# KiCad board ecp5.kicad_pcb
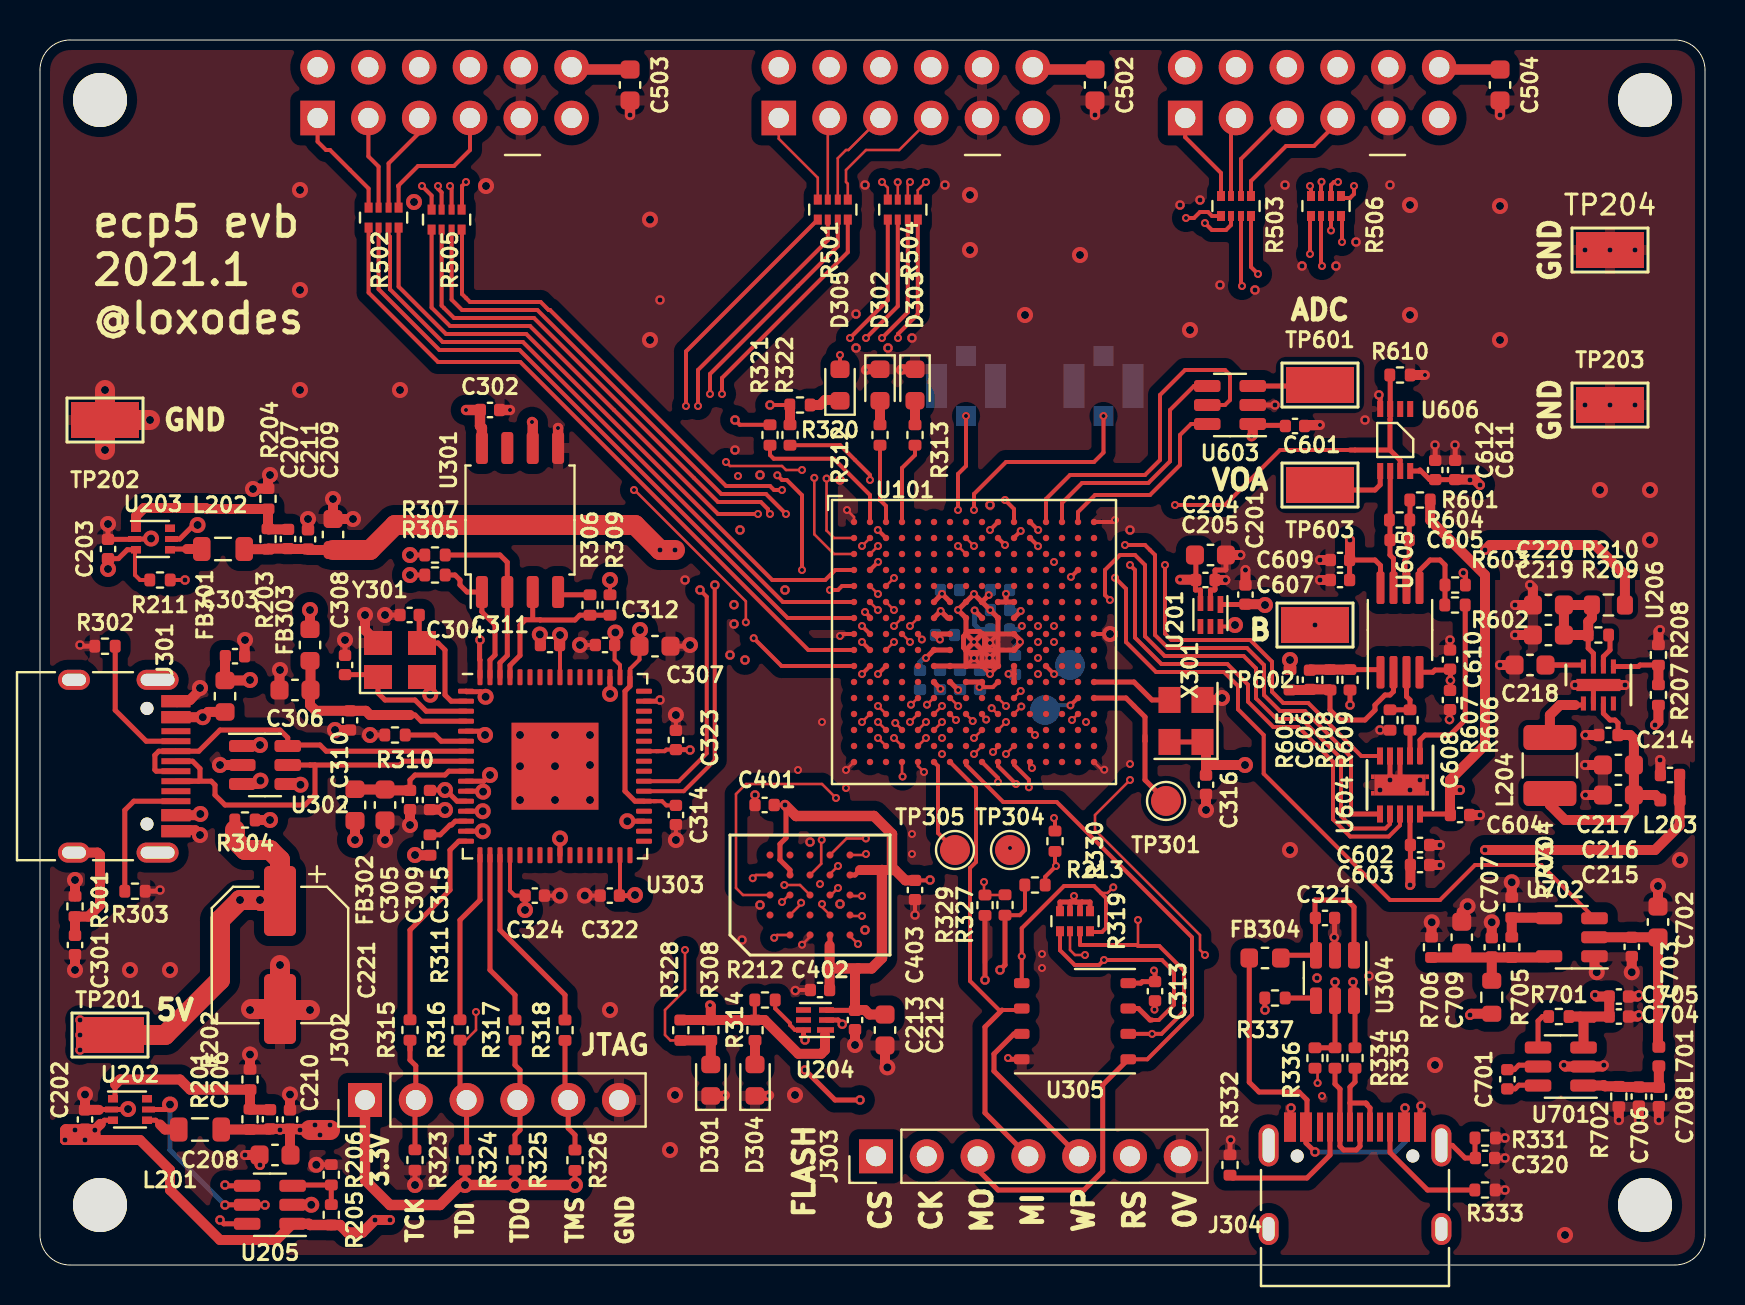
[diagram p0: board, top side]
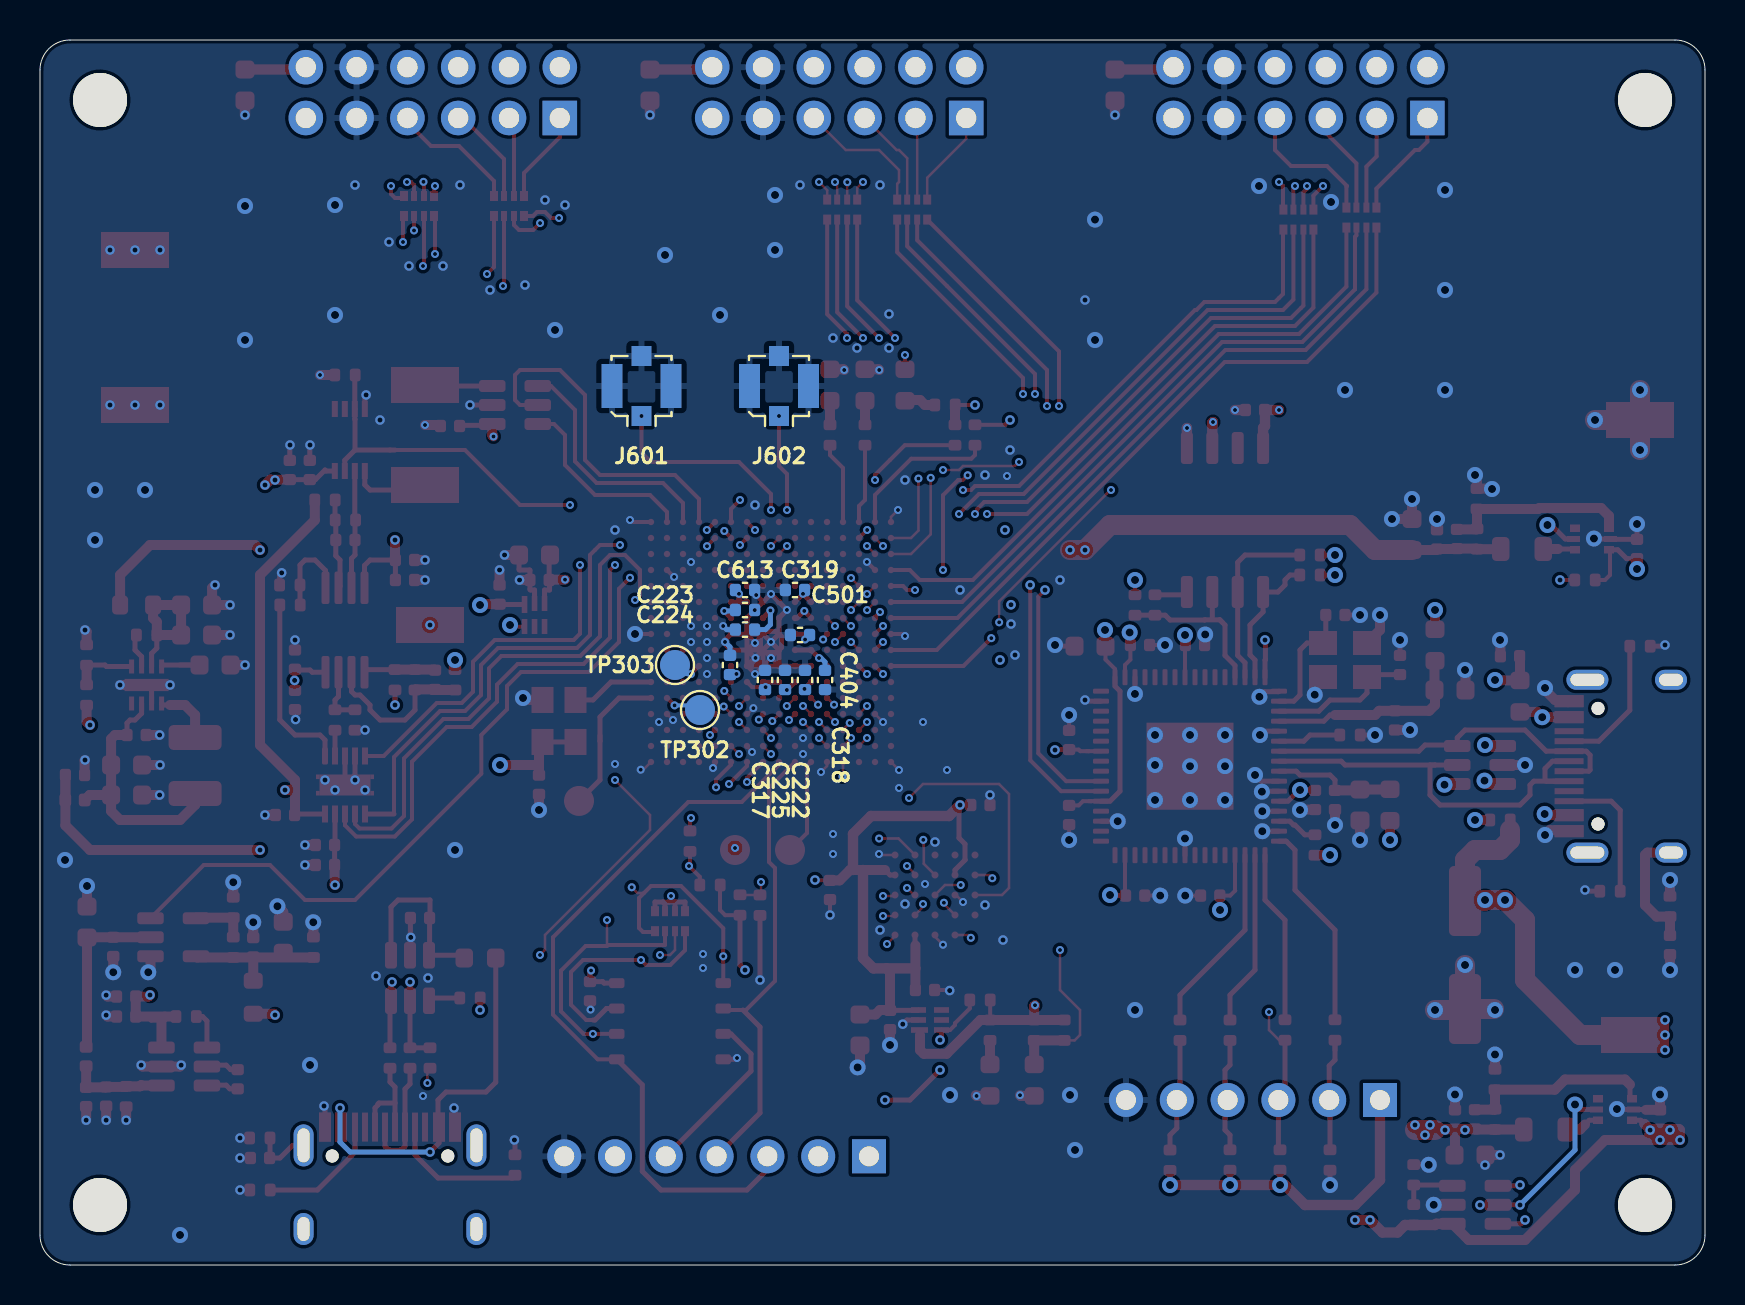
[diagram p1: board, bottom side, seen from below]

Outline 83.25 x 61.25 mm; copper layers: Top, In1.Cu, In2.Cu, In3.Cu, In4.Cu, Bottom. Coordinates in mm from the lower left corner of the outline.
Outline path: 0,59.75 arc(0.44,60.81) 1.5,61.25 81.75,61.25 arc(82.81,60.81) 83.25,59.75 83.25,1.5 arc(82.81,0.44) 81.75,0 1.5,0 arc(0.44,0.44) 0,1.5 0,59.75
Stack: Top 0.035mm / dielectric 0.294mm FR4 er 4.5 / In1.Cu 0.035mm / dielectric 0.294mm FR4 er 4.5 / In2.Cu 0.035mm / dielectric 0.294mm FR4 er 4.5 / In3.Cu 0.035mm / dielectric 0.294mm FR4 er 4.5 / In4.Cu 0.035mm / dielectric 0.294mm FR4 er 4.5 / Bottom 0.035mm

## Placement (name value [footprint] x y rotation side)
C201  4.7uF  [C_0402_1005Metric]  60.27 33.52 90 top
C202  4.7uF  [C_0402_1005Metric]  2.25 7.28 90 top
C203  4.7uF  [C_0402_1005Metric]  3.4 35.8 90 top
C204  10uF  [C_0603_1608Metric]  58.52 35.5 0 top
C205  1uF  [C_0402_1005Metric]  58.27 34.25 0 top
C206  6.8pF  [C_0402_1005Metric]  11.5 7.28 90 top
C207  6.8pF  [C_0402_1005Metric]  12.4 36.3 90 top
C208  10uF  [C_0603_1608Metric]  11.75 5.5 180 top
C209  10uF  [C_0603_1608Metric]  14.65 36.53 90 top
C210  1uF  [C_0402_1005Metric]  12.5 7.28 90 top
C211  1uF  [C_0402_1005Metric]  13.4 36.28 90 top
C212  10uF  [C_0603_1608Metric]  42.25 11.75 270 top
C213  1uF  [C_0402_1005Metric]  40.75 12.25 270 top
C214  100 nF  [C_0402_1005Metric]  81.5 24.5 180 top
C215  2.2 uF  [C_0603_1608Metric]  78.92 23.5 180 top
C216  2.2 uF  [C_0603_1608Metric]  78.92 25 180 top
C217  100 nF  [C_0402_1005Metric]  78.42 26.5 180 top
C218  220 nF  [C_0603_1608Metric]  74.5 30 180 top
C219  100 nF  [C_0603_1608Metric]  75.42 31.5 180 top
C220  2.2 uF  [C_0603_1608Metric]  75.42 33 180 top
C221  100 uF  [CP_Elec_6.3x5.8]  12 15.5 270 top
C222  1uF  [C_0402_1005Metric]  46 29.25 90 bottom
C223  1uF  [C_0402_1005Metric]  48 32.75 180 bottom
C224  1uF  [C_0402_1005Metric]  48 31.77 0 bottom
C225  1uF  [C_0402_1005Metric]  47 29.25 90 bottom
C301  1 uF  [C_0402_1005Metric]  1.75 16 270 top
C302  100 nF  [C_0402_1005Metric]  22.5 42.75 0 top
C303  1 uF  [C_0402_1005Metric]  9.75 30.44 0 top
C304  18 pF  [C_0402_1005Metric]  18.48 32.5 180 top
C305  10 uF  [C_0603_1608Metric]  17.25 23 270 top
C306  10 uF  [C_0603_1608Metric]  12.75 28.75 180 top
C307  10 uF  [C_0603_1608Metric]  30.75 30.94 0 top
C308  18 pF  [C_0402_1005Metric]  15.25 30 90 top
C309  100 nF  [C_0402_1005Metric]  18.5 23.25 270 top
C310  100 nF  [C_0402_1005Metric]  15.5 27.23 270 top
C311  100 nF  [C_0402_1005Metric]  25.5 31 180 top
C312  100 nF  [C_0402_1005Metric]  28.25 31 180 top
C313  100 nF  [C_0402_1005Metric]  55.75 13.69 270 top
C314  100 nF  [C_0402_1005Metric]  31.8 22.5 270 top
C315  100 nF  [C_0402_1005Metric]  19.5 23.25 270 top
C316  100 nF  [C_0402_1005Metric]  58.3 24.01 270 top
C317  100 nF  [C_0402_1005Metric]  48.75 30 90 bottom
C318  100 nF  [C_0402_1005Metric]  45 29.25 90 bottom
C319  100 nF  [C_0402_1005Metric]  45.5 33.75 0 bottom
C320  1 uF  [C_0402_1005Metric]  72.25 5.35 0 top
C321  1 uF  [C_0402_1005Metric]  64.25 17.35 0 top
C322  100 nF  [C_0402_1005Metric]  28.49 18.47 180 top
C323  100 nF  [C_0402_1005Metric]  31.8 26.25 90 top
C324  100 nF  [C_0402_1005Metric]  24.74 18.47 0 top
C401  100 nF  [C_0402_1005Metric]  36.23 23 180 top
C402  100 nF  [C_0402_1005Metric]  39 13.75 180 top
C403  100 nF  [C_0402_1005Metric]  43.75 18.75 270 top
C404  100 nF  [C_0402_1005Metric]  44 29.25 270 bottom
C501  100 nF  [C_0402_1005Metric]  45.25 31.5 0 bottom
C502  DNI  [C_0603_1608Metric]  52.75 59 90 top
C503  DNI  [C_0603_1608Metric]  29.5 59 90 top
C504  DNI  [C_0603_1608Metric]  73 59 90 top
C601  1 uF  [C_0402_1005Metric]  62.75 41.95 0 top
C602  100 nF  [C_0402_1005Metric]  69 21 180 top
C603  100 pF  [C_0402_1005Metric]  69 20 180 top
C604  100 pF  [C_0402_1005Metric]  71 22.5 180 top
C605  10 pF  [C_0402_1005Metric]  67.98 36.25 180 top
C606  10 pF  [C_0402_1005Metric]  63.5 29.26 90 top
C607  100 pF  [C_0402_1005Metric]  65 34.25 0 top
C608  100 pF  [C_0402_1005Metric]  70.5 28.25 90 top
C609  100 nF  [C_0402_1005Metric]  65 35.25 0 top
C610  100 nF  [C_0402_1005Metric]  70.5 30.27 270 top
C611  100 pF  [C_0402_1005Metric]  70.76 39.75 270 top
C612  100 nF  [C_0402_1005Metric]  69.76 39.75 270 top
C613  100 nF  [C_0402_1005Metric]  48 33.75 0 bottom
C701  1 uF  [C_0402_1005Metric]  73.37 9.29 90 top
C702  2.2 uF  [C_0603_1608Metric]  80.9 17.15 90 top
C703  100 nF  [C_0402_1005Metric]  79.59 15.91 270 top
C704  100 nF  [C_0402_1005Metric]  78.94 12.42 180 top
C705  1 uF  [C_0402_1005Metric]  78.94 13.42 180 top
C706  100 nF  [C_0402_1005Metric]  79.94 8.42 90 top
C707  10 nF  [C_0402_1005Metric]  72.59 15.89 90 top
C708  1 uF  [C_0402_1005Metric]  80.94 8.4 90 top
C709  2.2 uF  [C_0603_1608Metric]  71.09 16.39 90 top
D301  RED  [LED_0603_1608Metric]  33.54 9.24 90 top
D302  RED  [LED_0603_1608Metric]  42 44 270 top
D303  RED  [LED_0603_1608Metric]  43.75 44 270 top
D304  RED  [LED_0603_1608Metric]  35.75 9.24 90 top
D305  RED  [LED_0603_1608Metric]  40 44 90 top
FB301  600 ohm 500 mA  [L_0603_1608Metric]  9.25 28.44 90 top
FB302  600 ohm 500 mA  [L_0603_1608Metric]  15.75 23 90 top
FB303  600 ohm 500 mA  [L_0603_1608Metric]  13.5 31 270 top
FB304  600 ohm 500 mA  [L_0603_1608Metric]  61.25 15.35 0 top
H101  MountingHole  [MountingHole_2.7mm_M2.5]  3 3 0 top
H102  MountingHole  [MountingHole_2.7mm_M2.5]  80.25 58.25 0 top
H103  MountingHole  [MountingHole_2.7mm_M2.5]  80.25 3 0 top
H104  MountingHole  [MountingHole_2.7mm_M2.5]  3 58.25 0 top
J301  USB_C_Receptacle_USB2.0  [USB_C_Receptacle_HRO_TYPE-C-31-M-12]  2.75 24.94 270 top
J302  JTAG  [PinHeader_1x06_P2.54mm_Vertical]  16.25 8.25 90 top
J303  Flash  [PinHeader_1x07_P2.54mm_Vertical]  41.8 5.44 90 top
J304  USB_C_Receptacle_USB2.0  [USB_C_Receptacle_HRO_TYPE-C-31-M-12]  65.75 2.85 0 top
J501  PMOD  [PMOD_Angled_2x06]  49.64 57.35 180 top
J502  PMOD  [PMOD_Angled_2x06]  26.58 57.35 180 top
J503  PMOD  [PMOD_Angled_2x06]  69.96 57.35 180 top
J601  Conn_Coaxial  [U.FL_Molex_MCRF_73412-0110_Vertical]  53.17 43.95 180 bottom
J602  Conn_Coaxial  [U.FL_Molex_MCRF_73412-0110_Vertical]  46.3 43.95 180 bottom
L201  2.2uH  [L_0805_2012Metric]  8 6.78 0 top
L202  2.2uH  [L_0805_2012Metric]  9.15 35.8 0 top
L203  BLM15AG102SZ1D  [L_0402_1005Metric]  81.5 23.25 0 top
L204  15 uH  [L_1210_3225Metric]  75.5 24.97 90 top
L701  BLM15GG471  [L_0402_1005Metric]  80.94 10.42 270 top
R201  210k  [R_0402_1005Metric]  10.5 7.28 270 top
R202  47k  [R_0402_1005Metric]  10.5 9.28 270 top
R203  84k5  [R_0402_1005Metric]  11.4 36.3 270 top
R204  100k  [R_0402_1005Metric]  11.4 38.31 270 top
R205  24k3  [R_0402_1005Metric]  14.56 2.51 270 top
R206  10k  [R_0402_1005Metric]  14.56 4.51 270 top
R207  10k  [R_0402_1005Metric]  80.92 28.5 90 top
R208  DNI  [R_0402_1005Metric]  80.92 30.5 90 top
R209  2.21M  [R_0402_1005Metric]  77.92 31.5 0 top
R210  0  [R_0603_1608Metric]  78.42 33 0 top
R211  10k  [R_0402_1005Metric]  6 34.25 0 top
R212  10k  [R_0402_1005Metric]  36.25 13.25 0 top
R213  10k  [R_0402_1005Metric]  49.75 19 180 top
R301  100k  [R_0402_1005Metric]  1.75 17.93 90 top
R302  5.1k  [R_0402_1005Metric]  3.25 30.94 0 top
R303  5.1k  [R_0402_1005Metric]  4.75 18.69 180 top
R304  0  [R_0402_1005Metric]  10.25 22.25 180 top
R305  10k  [R_0402_1005Metric]  19.75 34.5 0 top
R306  12k  [R_0402_1005Metric]  27.5 33 90 top
R307  10k  [R_0402_1005Metric]  19.75 35.5 0 top
R308  10k  [R_0402_1005Metric]  33.54 11.74 270 top
R309  10k  [R_0402_1005Metric]  28.5 33 270 top
R310  12k  [R_0402_1005Metric]  17.75 26.5 180 top
R311  2.2k  [R_0402_1005Metric]  19.5 21 270 top
R312  10k  [R_0402_1005Metric]  42 41.5 90 top
R313  10k  [R_0402_1005Metric]  43.75 41.5 90 top
R314  10k  [R_0402_1005Metric]  35.75 11.74 270 top
R315  0  [R_0402_1005Metric]  18.5 11.75 90 top
R316  0  [R_0402_1005Metric]  21 11.75 90 top
R317  0  [R_0402_1005Metric]  23.75 11.74 90 top
R318  0  [R_0402_1005Metric]  26.25 11.74 90 top
R319  10k  [R_Array_Convex_4x0402]  51.75 17.19 270 top
R320  10k  [R_0402_1005Metric]  38 43 180 top
R321  100  [R_0402_1005Metric]  36.5 41.5 90 top
R322  100  [R_0402_1005Metric]  37.5 41.5 90 top
R323  4.7k  [R_0402_1005Metric]  18.75 5.25 270 top
R324  4.7k  [R_0402_1005Metric]  21.25 5.25 270 top
R325  4.7k  [R_0402_1005Metric]  23.75 5.25 270 top
R326  4.7k  [R_0402_1005Metric]  26.75 5.24 270 top
R327  1k  [R_0402_1005Metric]  48.25 18 270 top
R328  10k  [R_0402_1005Metric]  32.04 11.74 270 top
R329  10k  [R_0402_1005Metric]  47.25 17.99 90 top
R330  1k  [R_0402_1005Metric]  50.75 21.19 90 top
R331  100k  [R_0402_1005Metric]  72.26 6.35 0 top
R332  5.1k  [R_0402_1005Metric]  59.5 5 270 top
R333  5.1k  [R_0402_1005Metric]  72.25 3.75 180 top
R334  20  [R_0402_1005Metric]  64.75 10.35 270 top
R335  20  [R_0402_1005Metric]  65.75 10.35 270 top
R336  1.5k  [R_0402_1005Metric]  63.75 10.35 90 top
R337  DNI  [R_0402_1005Metric]  61.75 13.35 180 top
R501  33R  [R_Array_Convex_4x0402]  39.64 52.77 90 top
R502  33R  [R_Array_Convex_4x0402]  17.18 52.37 90 top
R503  33R  [R_Array_Convex_4x0402]  59.8 52.95 270 top
R504  33R  [R_Array_Convex_4x0402]  43.14 52.77 90 top
R505  33R  [R_Array_Convex_4x0402]  20.33 52.27 90 top
R506  33R  [R_Array_Convex_4x0402]  64.3 52.95 270 top
R601  33k  [R_0402_1005Metric]  69 38.25 0 top
R602  33k  [R_0402_1005Metric]  70.75 33 0 top
R603  10k  [R_0402_1005Metric]  70.76 34 180 top
R604  10k  [R_0402_1005Metric]  67.98 37.25 0 top
R605  4.7k  [R_0402_1005Metric]  62.5 29.26 90 top
R606  4.7k  [R_0402_1005Metric]  68.5 27.25 270 top
R607  33k  [R_0402_1005Metric]  67.5 27.25 90 top
R608  33k  [R_0402_1005Metric]  64.5 29.26 270 top
R609  10k  [R_0402_1005Metric]  65.5 29.26 90 top
R610  10k  [R_0402_1005Metric]  68 44.5 0 top
R701  1k  [R_0402_1005Metric]  75.94 12.42 180 top
R702  DNI  [R_0402_1005Metric]  78.94 8.42 270 top
R703  51k  [R_0402_1005Metric]  73.59 15.89 90 top
R704  47k  [R_0402_1005Metric]  73.59 17.88 90 top
R705  0  [R_0603_1608Metric]  72.59 13.39 270 top
R706  2k  [R_0402_1005Metric]  69.58 15.89 90 top
TP201  TestPoint  [TestPoint_Keystone_5015_Micro-Minature]  3.5 11.5 180 top
TP202  TestPoint  [TestPoint_Keystone_5015_Micro-Minature]  3.25 42.25 180 top
TP203  TestPoint  [TestPoint_Keystone_5015_Micro-Minature]  78.5 43 0 top
TP204  TestPoint  [TestPoint_Keystone_5015_Micro-Minature]  78.5 50.75 0 top
TP301  TestPoint  [TestPoint_Pad_D1.5mm]  56.3 23.2 0 top
TP302  TestPoint  [TestPoint_Pad_D1.5mm]  50.25 27.75 180 bottom
TP303  TestPoint  [TestPoint_Pad_D1.5mm]  51.5 30 180 bottom
TP304  TestPoint  [TestPoint_Pad_D1.5mm]  48.5 20.75 0 top
TP305  TestPoint  [TestPoint_Pad_D1.5mm]  45.75 20.75 0 top
TP601  TestPoint  [TestPoint_Keystone_5015_Micro-Minature]  64 44 180 top
TP602  TestPoint  [TestPoint_Keystone_5015_Micro-Minature]  63.75 32 0 top
TP603  TestPoint  [TestPoint_Keystone_5015_Micro-Minature]  64 39 180 top
U101  ECP5U_25_CABGA256  [BGA-256_14.0x14.0mm_Layout16x16_P0.8mm_Ball0.45mm_Pad0.32mm_NSMD]  46.7 31.15 0 top
U201  TLV70025_WSON6  [WSON-6_1.5x1.5mm_P0.5mm]  58.52 32.5 270 top
U202  TLV62569DRL  [SOT-666]  4.5 7.78 0 top
U203  TLV62569DRL  [SOT-666]  5.65 36.3 0 top
U204  TLV70018_WSON6  [WSON-6_1.5x1.5mm_P0.5mm]  38.75 12.25 180 top
U205  LM3880MF-1AF  [SOT-23-6]  11.49 3.01 180 top
U206  LT3494  [DFN-8-1EP_2x3mm_P0.5mm_EP0.61x2.2mm]  77.92 29 90 top
U301  93LC56C  [SOIC-8_5.23x5.23mm_P1.27mm]  24 37.25 90 top
U302  TPD3S014  [SOT-23-6]  11.25 25 0 top
U303  FT2232HQ  [QFN-64-1EP_9x9mm_P0.5mm_EP4.35x4.35mm]  25.75 24.94 0 top
U304  TPD3S014  [SOT-23-6]  64.75 14.35 270 top
U305  W25Q32JVSS  [WSON-8-1EP_6x5mm_P1.27mm_EP3.4x4mm]  51.75 12.19 0 top
U401  IS66WVH16M8ALL  [BGA-24_8.0x6.0mm_Layout5x5_P0.8mm_Pad0.35mm_NSMD]  38.5 18.5 90 top
U603  ADS7868  [TSOT-23-6]  59.5 43 180 top
U604  DAC7563SDSCR  [DFN-10_PWSON_N10_3x3mm_P0.5mm_EP1.05x2.55mm]  68 24 270 top
U605  OPA2140  [MSOP-8_3x3mm_P0.65mm]  68 31.75 90 top
U606  TS5A23166  [VSSOP-8]  67.76 41.25 180 top
U701  LM2776  [SOT-23-6]  76.04 9.92 180 top
U702  TPS72301DB  [SOT-23-5]  76.59 16.39 180 top
X301  ASE-xxxMHz  [Oscillator_SMD_Abracon_ASE-4Pin_3.2x2.5mm]  57.3 27.2 90 top
Y301  7M-12.000MAAJ  [Crystal_SMD_3225-4Pin_3.2x2.5mm]  18 30.25 0 top

## Library data of the parts
C201-C203 = -: Mfg: Yageo; PN: CC0402KRX5R6BB475
C204 C208 C209 C212 = -: Mfg: Yageo; PN: CC0603KRX5R5BB106
C205 C210 C211 C213 C222-C225 = -: Mfg: Yageo; PN: CC0402KRX5R6BB105
C206 C207 = -: Mfg: Yageo; PN: CC0402CRNPO9BN6R8
C502-C504 = -: Key: cap-cer-0603-10u; Source: ANY
C601 = -: Distributor Part Number: N/A
J303 = -: Key: conn-th-01in-7-1-hdr; Source: ANY
J501-J503 = -: Key: conn-th-01in-6-2-rec-ra; Source: ANY
L201 L202 = -: Mfg: Sunltech Tech; PN: SLM20122R2MIT
R201 = -: Mfg: Yageo; PN: RC0402FR-07210KL; Tol: 1%
R202 = -: Mfg: Yageo; PN: RC0402FR-0747KL
R203 = -: Mfg: Yageo; PN: RC0402FR-0784K5L; Tol: 1%
R204 = -: Mfg: Yageo; PN: RC0402FR-07100KL; Tol: 1%
R205 = -: 1b2-bom-key: res-0402-24k3; MPN: RC0402FR-1324K3L; Mfg: Yageo
R206 = -: 1b2-bom-key: res-0402-10k; MPN: RC0402FR-1310KL; Mfg: Yageo
R301-R318 R320-R337 = -: Key: res-0402-10k; Source: ANY
R704 = -: DIST_PN: 311-21.0KLRCT-ND‎
U101 = -: manf#: ECP5U_25
U202 U203 = -: Mfg: Texas Instruments; PN: TLV62569DRLR
U205 = -: 1b2-bom-key: ic-sot23-6-lm3880mf-1af; MPN: LM3880MFX-1AF/NOPB; Mfg: Texas Instruments
U401 = -: Mfg: ISSI, Integrated Silicon Solution Inc; PN: IS66WVH16M8ALL-166B1LI; SN-DK: 706-1548-ND
U603 = -: Distributor: Digi-Key; Distributor Part Number: 296-41406-1-ND
U701 = -: DIST_PN: 296-43957-1-ND
U702 = -: DIST_PN: ‎296-46478-1-ND‎

## Footprints (pads in the part's own frame, mm; a bottom-side part is the same pattern mirrored in y, then rotated)
BGA-24_8.0x6.0mm_Layout5x5_P0.8mm_Pad0.35mm_NSMD
  round 0.35 smd: A2(-1,2) A3(0,2) A4(1,2) A5(2,2) B1(-2,1) B2(-1,1) B3(0,1) B4(1,1) B5(2,1) C1(-2,0) C2(-1,0) C3(0,0) C4(1,0) C5(2,0) D1(-2,-1) D2(-1,-1) D3(0,-1) D4(1,-1) D5(2,-1) E1(-2,-2) E2(-1,-2) E3(0,-2) E4(1,-2) E5(2,-2)
BGA-256_14.0x14.0mm_Layout16x16_P0.8mm_Ball0.45mm_Pad0.32mm_NSMD
  round 0.32 smd: A1(-6,6) A2(-5.2,6) A3(-4.4,6) A4(-3.6,6) A5(-2.8,6) A6(-2,6) A7(-1.2,6) A8(-0.4,6) A9(0.4,6) A10(1.2,6) A11(2,6) A12(2.8,6) A13(3.6,6) A14(4.4,6) A15(5.2,6) A16(6,6) B1(-6,5.2) B2(-5.2,5.2) B3(-4.4,5.2) B4(-3.6,5.2) B5(-2.8,5.2) B6(-2,5.2) B7(-1.2,5.2) B8(-0.4,5.2) B9(0.4,5.2) B10(1.2,5.2) B11(2,5.2) B12(2.8,5.2) B13(3.6,5.2) B14(4.4,5.2) B15(5.2,5.2) B16(6,5.2) C1(-6,4.4) C2(-5.2,4.4) C3(-4.4,4.4) C4(-3.6,4.4) C5(-2.8,4.4) C6(-2,4.4) C7(-1.2,4.4) C8(-0.4,4.4) C9(0.4,4.4) C10(1.2,4.4) C11(2,4.4) C12(2.8,4.4) C13(3.6,4.4) C14(4.4,4.4) C15(5.2,4.4) C16(6,4.4) D1(-6,3.6) D2(-5.2,3.6) D3(-4.4,3.6) D4(-3.6,3.6) D5(-2.8,3.6) D6(-2,3.6) D7(-1.2,3.6) D8(-0.4,3.6) D9(0.4,3.6) D10(1.2,3.6) D11(2,3.6) D12(2.8,3.6) D13(3.6,3.6) D14(4.4,3.6) D15(5.2,3.6) D16(6,3.6) E1(-6,2.8) E2(-5.2,2.8) E3(-4.4,2.8) E4(-3.6,2.8) E5(-2.8,2.8) E6(-2,2.8) E7(-1.2,2.8) E8(-0.4,2.8) E9(0.4,2.8) E10(1.2,2.8) E11(2,2.8) E12(2.8,2.8) E13(3.6,2.8) E14(4.4,2.8) E15(5.2,2.8) E16(6,2.8) F1(-6,2) F2(-5.2,2) F3(-4.4,2) F4(-3.6,2) F5(-2.8,2) F6(-2,2) F7(-1.2,2) F8(-0.4,2) F9(0.4,2) F10(1.2,2) F11(2,2) F12(2.8,2) F13(3.6,2) F14(4.4,2) F15(5.2,2) F16(6,2) G1(-6,1.2) G2(-5.2,1.2) G3(-4.4,1.2) G4(-3.6,1.2) G5(-2.8,1.2) G6(-2,1.2) G7(-1.2,1.2) G8(-0.4,1.2) G9(0.4,1.2) G10(1.2,1.2) G11(2,1.2) G12(2.8,1.2) G13(3.6,1.2) G14(4.4,1.2) G15(5.2,1.2) G16(6,1.2) H1(-6,0.4) H2(-5.2,0.4) H3(-4.4,0.4) H4(-3.6,0.4) H5(-2.8,0.4) H6(-2,0.4) H7(-1.2,0.4) H8(-0.4,0.4) H9(0.4,0.4) H10(1.2,0.4) H11(2,0.4) H12(2.8,0.4) H13(3.6,0.4) H14(4.4,0.4) H15(5.2,0.4) H16(6,0.4) J1(-6,-0.4) J2(-5.2,-0.4) J3(-4.4,-0.4) J4(-3.6,-0.4) J5(-2.8,-0.4) J6(-2,-0.4) J7(-1.2,-0.4) J8(-0.4,-0.4) J9(0.4,-0.4) J10(1.2,-0.4) J11(2,-0.4) J12(2.8,-0.4) J13(3.6,-0.4) J14(4.4,-0.4) J15(5.2,-0.4) J16(6,-0.4) K1(-6,-1.2) K2(-5.2,-1.2) K3(-4.4,-1.2) K4(-3.6,-1.2) K5(-2.8,-1.2) K6(-2,-1.2) K7(-1.2,-1.2) K8(-0.4,-1.2) K9(0.4,-1.2) K10(1.2,-1.2) K11(2,-1.2) K12(2.8,-1.2) K13(3.6,-1.2) K14(4.4,-1.2) K15(5.2,-1.2) K16(6,-1.2) L1(-6,-2) L2(-5.2,-2) L3(-4.4,-2) L4(-3.6,-2) L5(-2.8,-2) L6(-2,-2) L7(-1.2,-2) L8(-0.4,-2) L9(0.4,-2) L10(1.2,-2) L11(2,-2) L12(2.8,-2) L13(3.6,-2) L14(4.4,-2) L15(5.2,-2) L16(6,-2) M1(-6,-2.8) M2(-5.2,-2.8) M3(-4.4,-2.8) M4(-3.6,-2.8) M5(-2.8,-2.8) M6(-2,-2.8) M7(-1.2,-2.8) M8(-0.4,-2.8) M9(0.4,-2.8) M10(1.2,-2.8) M11(2,-2.8) M12(2.8,-2.8) M13(3.6,-2.8) M14(4.4,-2.8) M15(5.2,-2.8) M16(6,-2.8) N1(-6,-3.6) N2(-5.2,-3.6) N3(-4.4,-3.6) N4(-3.6,-3.6) N5(-2.8,-3.6) N6(-2,-3.6) N7(-1.2,-3.6) N8(-0.4,-3.6) N9(0.4,-3.6) N10(1.2,-3.6) N11(2,-3.6) N12(2.8,-3.6) N13(3.6,-3.6) N14(4.4,-3.6) N15(5.2,-3.6) N16(6,-3.6) P1(-6,-4.4) P2(-5.2,-4.4) P3(-4.4,-4.4) P4(-3.6,-4.4) P5(-2.8,-4.4) P6(-2,-4.4) P7(-1.2,-4.4) P8(-0.4,-4.4) P9(0.4,-4.4) P10(1.2,-4.4) P11(2,-4.4) P12(2.8,-4.4) P13(3.6,-4.4) P14(4.4,-4.4) P15(5.2,-4.4) P16(6,-4.4) R1(-6,-5.2) R2(-5.2,-5.2) R3(-4.4,-5.2) R4(-3.6,-5.2) R5(-2.8,-5.2) R6(-2,-5.2) R7(-1.2,-5.2) R8(-0.4,-5.2) R9(0.4,-5.2) R10(1.2,-5.2) R11(2,-5.2) R12(2.8,-5.2) R13(3.6,-5.2) R14(4.4,-5.2) R15(5.2,-5.2) R16(6,-5.2) T1(-6,-6) T2(-5.2,-6) T3(-4.4,-6) T4(-3.6,-6) T5(-2.8,-6) T6(-2,-6) T7(-1.2,-6) T8(-0.4,-6) T9(0.4,-6) T10(1.2,-6) T11(2,-6) T12(2.8,-6) T13(3.6,-6) T14(4.4,-6) T15(5.2,-6) T16(6,-6)
C_0402_1005Metric
  rrect 0.56x0.62 smd: 1(-0.48,0) 2(0.48,0)
C_0603_1608Metric
  rrect 0.9x0.95 smd: 1(-0.775,0) 2(0.775,0)
CP_Elec_6.3x5.8
  rrect 3.5x1.6 smd: 1(-2.7,0) 2(2.7,0)
Crystal_SMD_3225-4Pin_3.2x2.5mm
  rect 1.4x1.2 smd: 1(-1.1,-0.85) 2(1.1,-0.85) 3(1.1,0.85) 4(-1.1,0.85)
DFN-8-1EP_2x3mm_P0.5mm_EP0.61x2.2mm
  rect 0.5x0.59 smd: (0,0.734) (0,0) (0,-0.734)
  rect 0.7x0.25 smd: 1(-0.925,0.75) 2(-0.925,0.25) 3(-0.925,-0.25) 4(-0.925,-0.75) 5(0.925,-0.75) 6(0.925,-0.25) 7(0.925,0.25) 8(0.925,0.75)
  rect 0.61x2.2 smd: 9(0,0)
DFN-10_PWSON_N10_3x3mm_P0.5mm_EP1.05x2.55mm
  rect 0.85x1.05 smd: (0,0.67) (0,-0.67)
  rrect 0.85x0.3 smd: 1(-1.45,1)
  rect 0.85x0.3 smd: 2(-1.45,0.5) 3(-1.45,0) 4(-1.45,-0.5) 5(-1.45,-1) 6(1.45,-1) 7(1.45,-0.5) 8(1.45,0) 9(1.45,0.5) 10(1.45,1)
  rect 0.23x0.18 smd: 11(-0.41,1.36) 11(-0.41,-1.36) 11(0.41,1.36) 11(0.41,-1.36)
  rect 1.05x2.55 smd: 11(0,0)
L_0402_1005Metric
  rrect 0.59x0.64 smd: 1(-0.485,0) 2(0.485,0)
L_0603_1608Metric
  rrect 0.875x0.95 smd: 1(-0.787,0) 2(0.787,0)
L_0805_2012Metric
  rrect 0.875x1.2 smd: 1(-1.062,0) 2(1.062,0)
L_1210_3225Metric
  rrect 1.25x2.65 smd: 1(-1.4,0) 2(1.4,0)
LED_0603_1608Metric
  rrect 0.875x0.95 smd: 1(-0.787,0) 2(0.787,0)
MountingHole_2.7mm_M2.5
  round 2.7 hole 2.7 unplated: (0,0)
MSOP-8_3x3mm_P0.65mm
  rrect 1.625x0.4 smd: 1(-2.112,0.975) 2(-2.112,0.325) 3(-2.112,-0.325) 4(-2.112,-0.975) 5(2.112,-0.975) 6(2.112,-0.325) 7(2.112,0.325) 8(2.112,0.975)
Oscillator_SMD_Abracon_ASE-4Pin_3.2x2.5mm
  rect 1.3x1.1 smd: 1(-1.05,-0.825) 2(1.05,-0.825) 3(1.05,0.825) 4(-1.05,0.825)
PinHeader_1x06_P2.54mm_Vertical
  rect 1.7x1.7 hole 1: 1(0,0)
  oval 1.7x1.7 hole 1: 2(0,-2.54) 3(0,-5.08) 4(0,-7.62) 5(0,-10.16) 6(0,-12.7)
PinHeader_1x07_P2.54mm_Vertical
  rect 1.7x1.7 hole 1: 1(0,0)
  oval 1.7x1.7 hole 1: 2(0,-2.54) 3(0,-5.08) 4(0,-7.62) 5(0,-10.16) 6(0,-12.7) 7(0,-15.24)
PMOD_Angled_2x06
  rect 1.727x1.727 hole 1.016: 1(12.7,0)
  oval 1.727x1.727 hole 1.016: 2(10.16,0) 3(7.62,0) 4(5.08,0) 5(2.54,0) 7(12.7,-2.54) 8(10.16,-2.54) 9(7.62,-2.54) 10(5.08,-2.54) 11(2.54,-2.54) 12(0,-2.54)
  round 1.727 hole 1.016: 6(0,0)
QFN-64-1EP_9x9mm_P0.5mm_EP4.35x4.35mm
  rrect 1.17x1.17 smd: (-1.45,1.45) (-1.45,0) (-1.45,-1.45) (0,1.45) (0,0) (0,-1.45) (1.45,1.45) (1.45,0) (1.45,-1.45)
  rrect 0.8x0.25 smd: 1(-4.45,3.75) 2(-4.45,3.25) 3(-4.45,2.75) 4(-4.45,2.25) 5(-4.45,1.75) 6(-4.45,1.25) 7(-4.45,0.75) 8(-4.45,0.25) 9(-4.45,-0.25) 10(-4.45,-0.75) 11(-4.45,-1.25) 12(-4.45,-1.75) 13(-4.45,-2.25) 14(-4.45,-2.75) 15(-4.45,-3.25) 16(-4.45,-3.75) 33(4.45,-3.75) 34(4.45,-3.25) 35(4.45,-2.75) 36(4.45,-2.25) 37(4.45,-1.75) 38(4.45,-1.25) 39(4.45,-0.75) 40(4.45,-0.25) 41(4.45,0.25) 42(4.45,0.75) 43(4.45,1.25) 44(4.45,1.75) 45(4.45,2.25) 46(4.45,2.75) 47(4.45,3.25) 48(4.45,3.75)
  rrect 0.25x0.8 smd: 17(-3.75,-4.45) 18(-3.25,-4.45) 19(-2.75,-4.45) 20(-2.25,-4.45) 21(-1.75,-4.45) 22(-1.25,-4.45) 23(-0.75,-4.45) 24(-0.25,-4.45) 25(0.25,-4.45) 26(0.75,-4.45) 27(1.25,-4.45) 28(1.75,-4.45) 29(2.25,-4.45) 30(2.75,-4.45) 31(3.25,-4.45) 32(3.75,-4.45) 49(3.75,4.45) 50(3.25,4.45) 51(2.75,4.45) 52(2.25,4.45) 53(1.75,4.45) 54(1.25,4.45) 55(0.75,4.45) 56(0.25,4.45) 57(-0.25,4.45) 58(-0.75,4.45) 59(-1.25,4.45) 60(-1.75,4.45) 61(-2.25,4.45) 62(-2.75,4.45) 63(-3.25,4.45) 64(-3.75,4.45)
  rect 4.35x4.35 smd: 65(0,0)
R_0402_1005Metric
  rrect 0.54x0.64 smd: 1(-0.51,0) 2(0.51,0)
R_0603_1608Metric
  rrect 0.8x0.95 smd: 1(-0.825,0) 2(0.825,0)
R_Array_Convex_4x0402
  rect 0.5x0.4 smd: 1(-0.5,0.75) 4(-0.5,-0.75) 5(0.5,-0.75) 8(0.5,0.75)
  rect 0.5x0.3 smd: 2(-0.5,0.25) 3(-0.5,-0.25) 6(0.5,-0.25) 7(0.5,0.25)
SOIC-8_5.23x5.23mm_P1.27mm
  rrect 1.6x0.6 smd: 1(-3.6,1.905) 2(-3.6,0.635) 3(-3.6,-0.635) 4(-3.6,-1.905) 5(3.6,-1.905) 6(3.6,-0.635) 7(3.6,0.635) 8(3.6,1.905)